# Altium PCB Test.PcbDoc (part 3 of 7)
Units mm, origin at the board's own origin, x right, y up, seen from the top; angles counter-clockwise.
Board outline 127 x 60.96 mm, 8 copper layers (TOP, LY2 - GND, LY3 - SIG, LY4 - GND, LY5 - SIG, LY6 - SIG, LY7 - GND, BOTTOM), stack 1.458 mm thick; 279 components, 237 nets, 1232 pads, 1515 vias.
Unrouted connection lines stored in the file: 100.
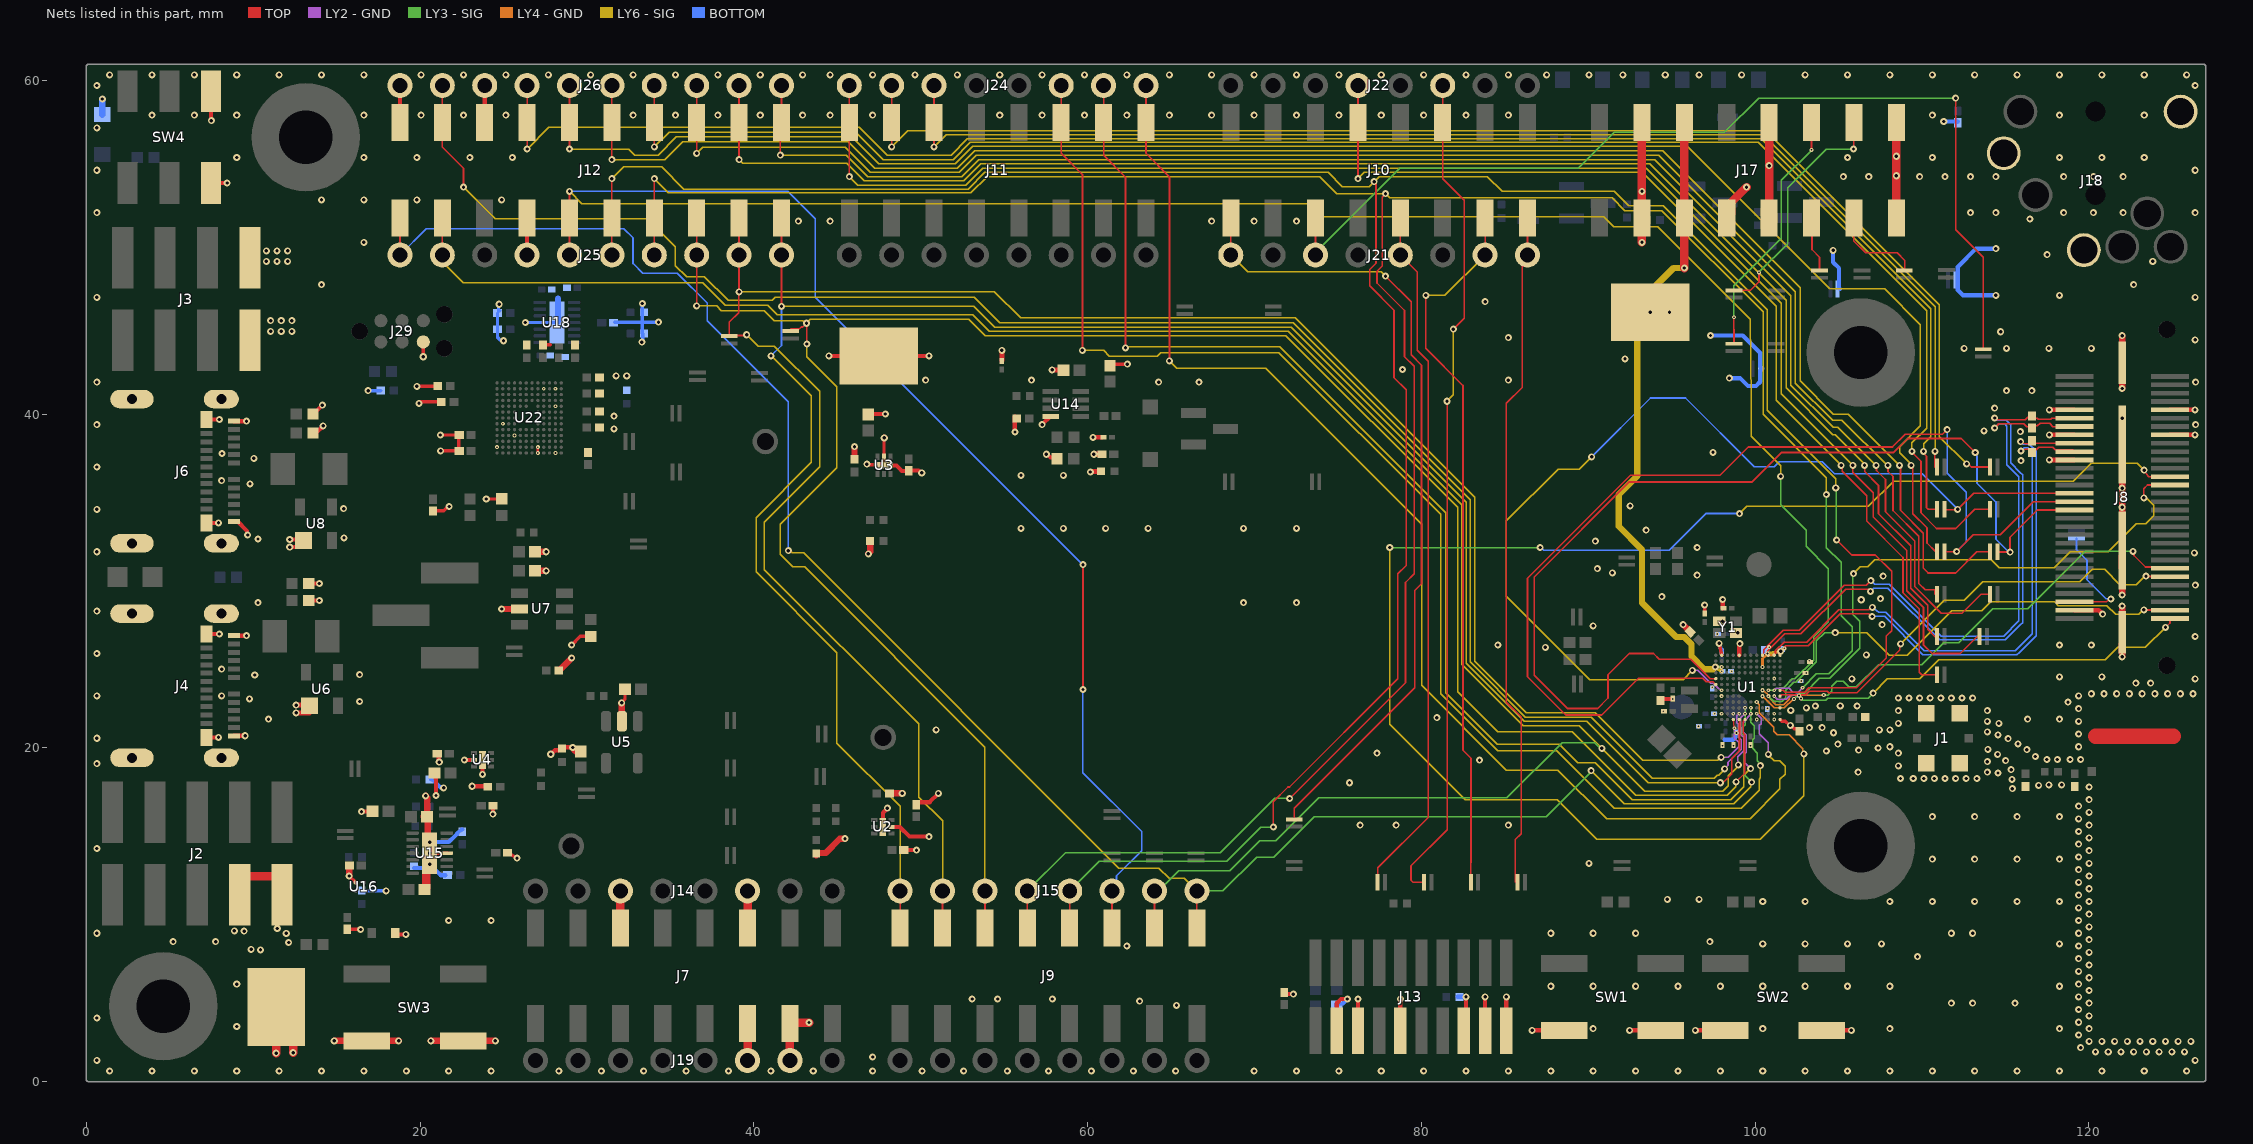
[diagram p9: the nets of this part, all layers, seen from the top]

## Via types
v1: diameter 0.422, hole 0.203, TOP to BOTTOM, tented both sides, 1327 vias
v2: diameter 0.17/0.203/0.229 (per signal layer), hole 0.102, TOP to LY3 - SIG, tented both sides, 58 vias
v3: diameter 0.17/0.229 (per signal layer), hole 0.102, TOP to LY2 - GND, tented both sides, 56 vias
v4: diameter 0.17/0.229/0.229/0.254 (per signal layer), hole 0.102, TOP to LY4 - GND, tented both sides, 35 vias
v5: diameter 0.422/0.422/0.422/0.422 (per signal layer), hole 0.203, LY3 - SIG to LY6 - SIG, tented both sides, 18 vias
v6: diameter 0.229/0.17 (per signal layer), hole 0.102, LY7 - GND to BOTTOM, tented both sides, 11 vias
v7: diameter 0.229/0.203/0.17 (per signal layer), hole 0.102, LY6 - SIG to BOTTOM, tented both sides, 10 vias

## Nets (pads, with @x,y where several pads share a name; then routed paths per layer and width w, separated by ;. In a path a pad name is that pad's centre, name@x,y a point inside that pad or via, vN(x,y) a via of type N, cw(c..) or ccw(c..) an arc to the next point about the centre after c; other vN are vias at no path point) (continued)
GND: C1.2 C2.2 C3.2 C4.2 C5.2 C6.2 C7.2 C8.2 C9.2 C10.2 C11.2 C13.2 C14.2 C15.2 C16.2 C17.2 C18.2 C19.2 C20.2 C21.2 C22.2 C23.2 C24.2 C25.2 C26.2 C27.2 C28.2 C29.2 C30.2 C31.2 C32.2 C33.2 C34.2 C35.2 C36.2 C37.2 C38.2 C39.2 C40.2 C41.2 C42.2 C43.2 C44.2 C45.2 C46.2 C47.2 C60.2 C61.2 C62.2 C63.2 C65.2 C66.2 C67.2 C72.2 C73.2 C74.2 C75.2 C76.2 C77.2 C78.2 C79.2 C80.2 C81.2 C82.2 C83.2 C84.2 C85.2 C87.2 C88.2 C89.2 C90.2 C91.2 C92.2 C93.2 C94.2 C95.2 C96.2 D1.2 D8.1 J1.3 J1.4 J1.5 J1.6 J2.7 J2.9 J3.7 J3.8 J4.A1 J4.A12 J4.B1 J4.B12 J4.SH1 J4.SH2 J4.SH3 J4.SH4 J6.A1 J6.A12 J6.B1 J6.B12 J6.SH1 J6.SH2 J6.SH3 J6.SH4 J7.5 J7.11 J7.12 J7.14 J8.09 J8.10 J8.15 J8.16 J8.21 J8.57 J8.S1 J8.S2 J8.S3 J8.S4 J12.13 J12.16 J12.20 J13.3 J13.5 J13.9 J13.15 J13.17 J13.19 J14.3 J14.6 J17.1 J17.2 J17.7 J17.8 J17.9 J17.13 J17.14 J18.1 J18.7 J18.8 J19.6 J19.7 J25.7 J26.8 J26.10 J29.5 R13.2 R14.1 R15.1 R16.1 R17.1 R18.1 R20.1 R22.1 R23.1 R38.1 R39.1 R45.1 R46.1 R48.1 R51.1 R54.1 R57.1 R72.2 R74.1 R75.1 R81.1 SB72.2 SB73.2 SB74.2 SW1.3 SW1.4 SW2.3 SW2.4 SW3.3 SW3.4 SW4.3 SW4.6 TP5.TP TP6.TP TP7.TP U1.B2 U1.B5 U1.B12 U1.D2 U1.E12 U1.H1 U1.J10 U1.L1 U1.L2 U1.L8 U1.M1 U1.M3 U2.5 U2.7 U3.5 U3.7 U4.5 U4.7 U5.2 U6.1 U7.2 U8.1 U14.4 U15.11 U15.PAD U16.C1 U18.11 U18.PAD U22.B2 U22.B5 U22.B13 U22.D2 U22.E12 U22.E13 U22.J10 U22.L8 U22.M12 Y1.2 Y1.4 | length 226.1
  TOP w0.076: C10.2@94.996,22.924 v3(95.072,22.924)
  TOP w0.102: C43.2@15.748,12.927 C43.2@15.775,12.954 ; C38.2@28.319,24.638 C38.2@28.34,24.638
  TOP w0.152: v3(27.062,37.668) v3(27.062,38.018)
  TOP w0.203: C79.2@15.646,9.037 15.73,9.121 16.429,9.121 v1(16.436,9.115) ; v1@15.752,12.319 U16.C1@16.137,11.934 ; v1(19.812,41.656) 19.832,41.676 C95.2@21.058,41.676 ; v1(19.939,40.64) 20.028,40.729 C94.2@21.28,40.729 ; v1(20.193,43.434) J29.5@20.193,44.323 ; v1(20.574,13.03) v1(20.574,13.691) ; U15.PAD@20.599,13.716 v1(20.574,13.691) ; R81.1@20.777,34.191 20.793,34.207 21.426,34.207 21.682,34.463 v1(21.741,34.463) ; v1(21.22,38.746) 22.327,38.746 C81.2@22.327,37.791 ; v1(21.229,37.798) C81.2@22.32,37.798 ; U15.11@21.649,13.691 v1(20.574,13.691) ; v1(23.968,34.912) 24.879,34.912 R18.1@24.892,34.925 ; C77.2@25.235,13.716 v1(25.808,13.386) ; C90.2@27.367,44.14 27.389,44.162 27.81,44.162 ; v1(29.083,26.162) 29.597,26.676 R20.1@30.226,26.676 ; v1(32.085,22.697) 32.085,22.722 32.279,22.917 C35.2@32.279,23.506 ; v1(46.772,36.995) 46.803,36.963 47.771,36.963 U3.7@47.803,36.932 ; v1@47.803,38.557 U3.5@47.803,37.447 U3.7@47.803,36.932 ; U3.7@47.815,36.919 U3.7@47.803,36.932 ; C61.2@61.341,42.897 61.439,42.995 v1(62.383,42.995) ; v1(96.972,28.56) 96.976,28.557 96.976,28.044 C8.2@96.979,28.04 ; v1(97.841,26.264) U1.B12@97.993,25.547 ; U1.M1@101.493,21.697 101.593,21.597 101.811,21.597 102.065,21.344 v1(102.108,21.344) 102.132,21.344 102.336,21.139 102.532,21.139 102.667,21.004 C5.2@102.667,20.983
  TOP w0.254: J4.B1@7.206,20.625 v1(7.925,20.625) ; J4.B12@7.206,26.822 v1(7.976,26.822) ; J6.B1@7.206,33.477 v1(7.925,33.477) ; J6.B12@7.206,39.675 v1(7.976,39.675) ; SW4.3@7.478,53.841 8.433,53.84 v1(8.437,53.844) ; SW4.6@7.478,59.341 7.478,57.597 v1(7.493,57.582) ; J4.A12@8.854,20.724 v1(9.525,20.724) ; J4.A1@8.854,26.723 v1(9.599,26.723) ; J6.A12@8.854,33.576 9.055,33.576 9.636,32.996 9.636,32.785 v1(9.668,32.753) ; J6.A1@8.854,39.576 v1(9.599,39.576) ; v1(12.192,32.029) 13.018,32.029 13.018,32.461 12.992,32.487 v1(12.192,32.487) ; R17.1@13.335,28.829 v1(13.97,28.829) ; R16.1@13.335,29.845 v1(13.97,29.845) ; R23.1@13.589,38.862 13.767,38.862 v1(14.199,39.294) ; R22.1@13.589,40.005 13.614,40.005 v1(14.148,40.538) ; v1(16.489,16.173) 16.505,16.189 17.104,16.189 C78.2@17.12,16.205 ; D1.2@18.421,8.884 D1.2@18.485,8.82 ; D1.2@18.485,8.827 18.664,8.827 18.671,8.82 v1(19.152,8.82) ; J12.20@18.796,57.468 J26.10@18.796,59.69 ; C40.2@20.83,18.488 20.903,18.415 20.903,18.202 20.957,18.148 v1@20.957,17.147 ; C41.2@21.046,19.647 21.056,19.647 21.119,19.584 21.119,19.178 v1(21.151,19.146) ; v1(22.652,19.271) 22.658,19.278 23.22,19.278 U4.5@23.227,19.285 ; v1@23.129,17.703 23.826,17.703 23.858,17.671 C33.2@23.921,17.671 ; U4.7@23.742,19.285 23.742,18.422 v1@23.749,18.415 ; J12.16@23.876,57.468 J26.8@23.876,59.69 ; v1(24.365,16.025) C76.2@24.365,16.533 ; J25.7@26.416,49.53 J12.13@26.416,51.752 ; v1@27.8,19.648 v1(27.832,19.616) 27.855,19.616 28.094,19.855 28.152,19.855 28.157,19.86 28.301,19.86 28.499,20.058 28.519,20.038 29.131,20.038 v1(29.15,20.018) ; v1@29.182,19.859 29.445,19.596 C34.2@29.464,19.596 ; v1(44.501,43.485) TP7.TP@47.498,43.485 v1(50.495,43.485) ; C30.2@46.863,40.005 v1(47.879,40.005) ; U2.7@47.735,15.264 47.735,16.112 v1(48.006,16.383) ; U3.7@47.815,36.919 48.545,36.919 48.87,36.594 49.256,36.594 49.276,36.614 49.878,36.614 50.018,36.474 v1(50.063,36.474) ; U2.5@48.25,15.264 48.744,15.264 49.326,14.681 v1(50.495,14.681) ; C29.2@48.974,13.874 v1(49.745,13.874) v1@49.749,13.87 ; C28.2@49.737,16.745 50.537,16.745 v1(51.061,17.269) ; v1(55.653,38.923) 55.641,38.935 55.641,39.839 C65.2@55.653,39.851 ; v1(57.277,39.37) U14.4@57.779,39.872 ; v1(57.531,37.592) 57.574,37.592 57.771,37.394 58.057,37.394 R45.1@58.142,37.309 ; v1(60.325,38.608) C67.2@60.871,38.608 ; C60.2@71.78,5.271 71.795,5.256 72.31,5.256 v1(72.325,5.241) ; J13.3@74.93,3.048 74.93,4.699 75.184,4.953 v1(75.565,4.953) ; J13.5@76.2,3.048 v1(76.2,4.953) ; J13.9@78.74,3.048 v1(78.74,4.953) ; J13.15@82.55,3.048 82.677,3.175 v1(82.677,5.08) ; J13.17@83.82,3.048 v1(83.82,5.08) ; J13.19@85.09,3.048 v1(85.09,5.08) ; v1(86.639,3.073) SW1.3@88.544,3.073 ; v1(92.481,3.073) SW1.4@94.336,3.073 ; C9.2@94.336,22.924 C10.2@94.996,22.924 ; C1.2@96.125,26.938 C1.2@96.161,26.902 ; v1(96.418,3.073) SW2.3@98.196,3.073 ; C7.2@98.054,28.358 v1(98.054,28.891) ; U1.E12@99.043,25.547 99.043,26.196 v1(99.085,26.238) ; SW2.4@103.988,3.073 v1(105.766,3.073)
  TOP w0.279: v1(117.625,40.254) J8.09@119.131,40.254 ; v1(117.632,37.252) J8.21@119.131,37.251 ; v1(117.632,38.755) J8.15@119.131,38.755 ; J8.57@119.131,28.245 120.585,28.245 v1(120.822,28.007) ; J8.16@124.861,38.755 v1(126.36,38.755) ; J8.10@124.861,40.254 v1(126.36,40.254)
  TOP w0.305: v1(12.573,22.098) 13.373,22.098 13.373,22.555 v1(12.573,22.555) ; C63.2@54.864,43.218 v1(54.864,43.815) ; v1(57.88,42.647) 57.892,42.636 58.43,42.636 C62.2@58.442,42.624 ; v1(60.161,36.527) 60.183,36.549 60.679,36.549 R46.1@60.706,36.576 ; v1(60.376,37.592) C66.2@60.922,37.592
  TOP w0.381: v1(14.859,2.438) 16.789,2.438 v1(18.72,2.438) ; v1(15.748,12.319) C43.2@15.748,12.927 ; C74.2@20.231,15.875 20.231,15.913 20.435,16.117 20.435,17.016 20.341,17.111 v1(20.341,17.122) ; C74.2@20.237,15.851 20.456,15.633 20.456,14.469 v1(20.574,14.351) ; U15.PAD@20.599,13.716 U15.PAD@20.599,14.351 ; v1(20.65,2.438) 22.581,2.438 v1(24.511,2.438) ; v1(24.892,28.321) U7.2@25.952,28.321 ; C37.2@26.924,30.607 v1(27.559,30.607) ; C36.2@26.924,31.75 v1(27.559,31.75) ; C38.2@28.34,24.638 v1(29.083,25.381) ; v1(32.085,22.697) 32.091,22.691 32.091,21.595 U5.2@32.096,21.589 ; R15.1@43.739,13.572 43.869,13.701 44.31,13.701 45.155,14.546 45.458,14.546 v1(45.466,14.554) ; C32.2@46.03,37.413 v1(46.03,38.048) ; v1(46.863,31.623) 46.863,31.634 46.973,31.744 R13.2@46.973,32.383 ; v1@47.803,38.557 v1(47.816,38.571) ; C31.2@48.26,17.272 v1(48.895,17.272) ; v1(95.682,27.381) C1.2@96.125,26.938 ; v1(121.996,25.451) 121.996,25.698 121.976,25.719 121.976,26.199 121.996,26.219 v1(121.996,28.499) ; v1(121.996,29.159) 121.996,29.585 122.005,29.594 122.005,30.385 121.989,30.401 121.989,30.765 121.971,30.783 121.971,30.997 121.976,31.002 121.976,31.482 121.996,31.502 J8.S3@121.996,31.826 v1(121.996,34.417) v1(121.996,35.56) J8.S2@121.996,38.176 v1(121.996,39.751) ; v1(121.996,41.529) v1(121.996,44.704)
  TOP w0.508: J2.7@9.716,12.319 J2.9@11.367,12.319 ; v1(11.379,1.702) TP5.TP@11.379,4.47 12.399,4.47 v1(12.399,1.731) ; C75.2@20.265,11.506 20.287,11.506 20.369,11.588 20.369,11.872 20.383,11.886 20.383,12.839 v1(20.574,13.03) ; J7.5@32.004,9.207 J14.3@32.004,11.43 ; J19.6@39.624,1.27 J7.12@39.624,3.492 ; J7.11@39.624,9.207 J14.6@39.624,11.43 ; J19.7@42.164,1.27 J7.14@42.164,3.492 42.211,3.539 v1(43.309,3.539) ; v1(93.218,50.292) J17.13@93.218,51.752 J17.14@93.218,57.468 ; J17.9@98.298,51.752 98.555,52.009 98.555,52.667 v1(99.484,53.597) ; J17.7@100.838,51.752 v1(100.838,54.889) J17.8@100.838,57.468 ; J17.1@108.458,51.752 v1(108.458,54.28) v1(108.458,55.448) J17.2@108.458,57.468
  LY4 - GND w0.152: v4@100.442,24.848 100.442,25.337 100.641,25.536 101.017,25.536 101.22,25.739 v5@101.482,25.739
  LY4 - GND w0.203: v5@101.482,25.739 v5(101.524,25.781)
  LY6 - SIG w0.203: v7(100.736,25.654) v5(101.524,25.781)
  BOTTOM w0.203: v1(15.748,12.319) v1@15.79,12.277 ; R57.1@16.508,11.451 R57.1@16.51,11.451 16.523,11.438 17.961,11.438 v1(17.973,11.426) ; v1(16.891,41.402) C93.2@17.655,41.402 ; C44.2@24.64,46.057 24.64,44.592 24.797,44.435 24.961,44.435 v1(25.003,44.393) ; v1(24.74,46.58) 24.698,46.538 24.698,46.191 C44.2@24.793,46.191 ; v1(26.308,45.485) U18.11@27.178,45.485 U18.PAD@28.203,45.485 ; C47.2@31.661,45.506 33.326,45.506 ; v1(33.295,44.307) 33.336,44.349 33.336,44.82 33.326,44.831 33.326,45.506 ; R75.1@33.323,45.977 v1(33.323,46.625) ; R75.1@33.326,45.974 33.326,45.506 ; v1(34.29,45.506) 33.326,45.506
  BOTTOM w0.254: v1(14.148,40.538) v1@14.179,40.538 ; v1(16.383,22.777) v1@16.387,22.78 ; R54.1@19.634,12.802 20.345,12.802 v1(20.574,13.03) 21.234,12.37 C73.2@21.514,12.37 ; v1(20.574,14.351) 21.717,14.351 22.149,14.783 22.149,14.785 22.223,14.859 22.225,14.859 22.479,15.113 C72.2@22.53,15.113 ; R51.1@20.676,18.11 20.755,18.11 21.232,17.633 21.382,17.633 v1(21.414,17.601) ; R39.1@74.93,4.686 75.298,4.686 v1(75.565,4.953) ; R38.1@82.182,5.08 v1(82.677,5.08) ; v1(97.326,44.707) 99.261,44.707 100.305,43.663 100.305,42.85 100.432,42.723 100.305,42.596 100.305,41.935 100.051,41.681 99.568,41.681 99.098,42.151 v1(98.459,42.151) ; v1(97.841,26.264) C18.2@97.993,25.819 ; 98.172,20.486 98.67,20.486 98.819,20.635 98.819,20.847 98.863,20.892 v6(98.882,20.892) ; v1(104.673,49.809) 104.673,49.098 105.029,48.743 105.029,47.549 105.08,47.498 ; v1(111.303,57.531) 112.128,57.531 R48.1@112.141,57.518 ; v1(114.427,47.117) 112.46,47.117 112.141,47.436 112.141,48.819 113.233,49.911 v1(114.427,49.911)
  BOTTOM w0.381: D8.1@0.965,57.942 v1(0.965,58.877) ; U18.PAD@28.264,45.546 28.264,46.917
  other v1: 1.397,0.635 3.937,0.635 6.477,0.635 9.017,0.635 11.557,0.635 14.097,0.635 16.637,0.635 19.177,0.635 21.717,0.635 24.257,0.635 28.321,0.635 30.861,0.635 33.401,0.635 35.941,0.635 38.481,0.635 41.021,0.635 43.561,0.635 47.117,0.635 50.089,0.635 52.578,0.635 55.194,0.635 57.658,0.635 60.223,0.635 62.738,0.635 65.278,0.635 69.977,0.635 72.517,0.635 75.057,0.635 77.597,0.635 80.137,0.635 82.677,0.635 85.217,0.635 87.757,0.635 90.297,0.635 92.837,0.635 95.377,0.635 97.917,0.635 100.457,0.635 102.997,0.635 105.537,0.635 108.077,0.635 110.617,0.635 113.157,0.635 115.697,0.635 118.237,0.635 120.777,0.635 123.317,0.635 125.857,0.635 0.635,1.27 126.365,1.27 47.117,1.473 120.396,1.778 121.158,1.778 121.92,1.778 122.682,1.778 123.444,1.778 124.206,1.778 124.968,1.778 125.73,1.778 119.507,2.032 120.015,2.413 120.777,2.413 121.539,2.413 122.301,2.413 123.063,2.413 123.825,2.413 124.587,2.413 125.349,2.413 126.111,2.413 119.38,2.794 90.297,3.175 100.457,3.175 108.077,3.175 118.237,3.175 120.015,3.175 9.017,3.302 119.38,3.556 0.635,3.81 120.015,3.937 119.38,4.318 65.325,4.565 111.76,4.699 113.03,4.699 115.57,4.699 120.015,4.699 63.119,4.826 53.086,4.953 54.61,4.953 57.887,4.953 119.38,5.08 120.015,5.461 87.757,5.715 90.297,5.715 92.837,5.715 95.377,5.715 97.917,5.715 100.457,5.715 102.997,5.715 105.537,5.715 108.077,5.715 118.237,5.715 9.017,5.842 119.38,5.842 120.015,6.223 119.38,6.604 120.015,6.985 119.38,7.366 109.728,7.493 120.015,7.747 10.438,7.896 9.882,7.922 62.357,8.128 119.38,8.128 100.457,8.255 102.997,8.255 105.537,8.255 107.569,8.255 118.237,8.255 12.131,8.332 5.207,8.382 7.747,8.382 97.282,8.382 120.015,8.509 0.635,8.89 11.984,8.884 87.757,8.89 90.297,8.89 92.837,8.89 111.76,8.89 113.03,8.89 119.38,8.89 9.456,9.016 8.879,9.036 11.443,9.174 120.015,9.271 21.717,9.652 24.257,9.652 119.38,9.652 120.015,10.033 119.38,10.414 100.457,10.795 102.997,10.795 108.077,10.795 110.617,10.795 113.157,10.795 115.697,10.795 118.237,10.795 120.015,10.795 94.742,10.922 96.647,10.922 119.38,11.176 120.015,11.557 119.38,11.938 120.015,12.319 119.38,12.7 90.043,13.081 120.015,13.081 110.617,13.335 113.157,13.335 115.697,13.335 118.237,13.335 119.38,13.462 120.015,13.843 0.635,13.97 119.38,14.224 120.015,14.605 119.38,14.986 76.327,15.367 78.486,15.367 85.217,15.367 120.015,15.367 119.38,15.748 110.617,15.875 113.157,15.875 115.697,15.875 118.237,15.875 120.015,16.129 119.38,16.51 120.015,16.891 20.955,17.145 115.418,17.551 120.015,17.653 23.125,17.699 116.987,17.751 117.602,17.78 118.364,17.78 75.692,17.907 115.392,18.11 108.712,18.161 109.474,18.161 110.109,18.161 110.744,18.161 111.379,18.161 112.014,18.161 112.649,18.161 113.284,18.161 23.744,18.41 114.554,18.491 106.172,18.542 113.919,18.542 115.341,18.694 108.585,18.923 0.635,19.05 113.919,19.177 115.011,19.228 83.482,19.258 117.475,19.304 118.11,19.304 118.872,19.304 119.507,19.304 116.789,19.482 114.529,19.609 77.343,19.685 108.585,19.685 104.267,19.812 106.197,19.863 116.281,19.888 113.944,19.914 107.366,19.99 108.077,20.066 119.38,20.066 104.953,20.218 115.748,20.244 115.164,20.549 0.635,20.574 114.554,20.777 119.38,20.828 104.699,20.904 113.919,20.955 50.927,21.082 107.442,21.082 108.077,21.082 103.251,21.209 104.013,21.209 108.585,21.463 114.605,21.463 113.919,21.59 119.38,21.59 10.922,21.717 116.332,21.717 118.237,21.717 80.923,21.807 108.585,22.225 113.919,22.225 102.133,22.25 119.38,22.352 103.066,22.392 103.607,22.504 106.111,22.509 105.1,22.519 118.745,22.733 9.779,22.936 108.585,22.987 109.22,22.987 109.855,22.987 110.49,22.987 111.125,22.987 111.76,22.987 112.395,22.987 113.03,22.987 0.635,23.114 8.11,23.119 119.38,23.114 120.142,23.241 120.904,23.241 121.666,23.241 122.428,23.241 123.19,23.241 123.952,23.241 124.714,23.241 125.476,23.241 126.238,23.241 122.809,23.876 123.698,23.876 105.791,24.13 126.365,24.13 118.237,24.257 120.777,24.257 10.096,24.362 16.382,24.381 8.109,24.721 106.662,25.567 0.635,25.654 87.432,26.021 84.582,26.162 118.237,26.162 120.142,26.162 126.365,26.67 98.965,26.901 90.297,27.305 107.608,27.38 98.044,27.584 0.635,28.194 10.287,28.702 69.342,28.702 72.517,28.702 106.358,28.872 107.514,28.937 94.409,29.057 126.373,29.748 107.672,30.291 96.52,30.353 91.44,30.48 90.551,30.734 126.323,31.679 0.635,31.75 96.52,32.004 90.424,32.385 10.287,32.512 15.441,32.578 93.472,33.045 56.007,33.147 58.547,33.147 61.087,33.147 63.627,33.147 69.342,33.147 72.517,33.147 0.635,34.29 15.425,34.328 92.511,34.502 9.809,35.818 8.114,36.015 56.007,36.322 58.547,36.322 0.635,36.83 115.928,37.207 10.04,37.346 8.13,37.636 97.475,37.705 115.89,38.944 113.712,38.998 31.623,39.116 0.635,39.37 126.393,39.37 31.623,39.878 114.349,40.354 115.062,41.402 116.586,41.402 0.635,41.91 64.262,41.91 66.675,41.91 126.393,41.91 50.292,42.037 56.642,42.037 85.217,42.037 31.75,42.291 32.385,42.291 78.867,42.672 92.202,43.307 112.522,43.942 115.062,43.942 117.602,43.942 120.142,43.942 126.365,44.45 85.217,44.577 114.706,44.933 11.049,44.958 11.684,44.958 12.319,44.958 11.049,45.593 11.684,45.593 12.319,45.593 93.726,46.101 94.869,46.101 83.82,46.736 0.635,46.99 126.365,46.99 118.237,47.117 14.097,47.752 122.682,47.752 10.795,49.149 11.43,49.149 12.065,49.149 123.825,49.149 117.5,49.555 10.795,49.784 11.43,49.784 12.065,49.784 16.637,50.292 42.672,51.562 44.577,51.562 67.437,51.562 69.977,51.562 72.517,51.562 116.459,51.689 0.635,52.07 112.903,52.07 114.427,52.07 118.491,52.07 120.269,52.07 122.047,52.07 126.365,52.07 14.097,52.832 16.637,52.832 19.812,52.832 24.892,52.832 93.218,53.34 105.283,54.229 106.807,54.229 109.855,54.229 111.379,54.229 112.903,54.229 114.427,54.229 118.491,54.229 120.269,54.229 122.047,54.229 0.635,54.61 126.365,54.61 9.017,55.372 16.637,55.372 19.812,55.372 22.987,55.372 25.527,55.372 105.537,55.372 110.617,55.372 118.237,55.372 120.777,55.372 123.317,55.372 0.635,57.15 3.937,57.912 6.477,57.912 9.017,57.912 16.637,57.912 20.066,57.912 22.606,57.912 25.146,57.912 32.766,57.912 35.306,57.912 37.846,57.912 40.386,57.912 42.926,57.912 44.577,57.912 47.117,57.912 54.737,57.912 57.277,57.912 59.817,57.912 62.357,57.912 64.897,57.912 67.437,57.912 69.977,57.912 72.517,57.912 75.057,57.912 77.597,57.912 80.137,57.912 82.677,57.912 85.217,57.912 110.617,57.912 118.237,57.912 123.317,57.912 0.635,59.69 126.365,59.69 1.397,60.325 3.937,60.325 6.477,60.325 9.017,60.325 11.557,60.325 14.097,60.325 16.637,60.325 20.066,60.325 22.606,60.325 25.146,60.325 27.686,60.325 30.226,60.325 32.766,60.325 35.306,60.325 37.846,60.325 40.386,60.325 42.926,60.325 44.577,60.325 47.117,60.325 49.657,60.325 52.197,60.325 54.737,60.325 57.277,60.325 59.817,60.325 62.357,60.325 64.897,60.325 67.437,60.325 69.977,60.325 72.517,60.325 75.057,60.325 77.597,60.325 80.137,60.325 82.677,60.325 85.217,60.325 87.503,60.325 90.043,60.325 92.075,60.325 94.615,60.325 96.647,60.325 99.187,60.325 102.997,60.325 105.537,60.325 108.077,60.325 110.617,60.325 113.157,60.325 115.697,60.325 118.237,60.325 120.777,60.325 123.317,60.325 125.857,60.325
  other v3: 98.044,20.13 98.704,20.13 99.72,20.13 100.093,21.697 101.143,21.697 97.993,22.047 98.693,22.047 101.143,22.047 94.501,22.2 97.993,23.097 101.143,24.147 103.06,24.486 103.251,25.222 28.112,37.668 24.612,38.018 25.662,38.718 24.962,39.418 28.112,40.468 27.41,41.516 28.11,41.516
  other v4: 100.443,24.847
  other v6: 96.609,21.285 97.574,22.047 100.736,22.365 102.629,23.139 97.434,23.635 102.756,24.003 98.59,24.587 101.752,25.959 100.838,26.035 97.727,26.822
HDR_LPADC_D0N_SE0: J17.6 SB63.2 | length 15.1
  TOP w0.102: 98.73,44.348 98.73,45.085 98.723,45.092 98.723,45.789 v2(98.73,45.796) ; v2(103.378,55.829) J17.6@103.378,57.468
  LY3 - SIG w0.089: v2(98.73,45.796) 98.73,47.701 101.575,50.546 101.575,54 103.378,55.804 v2(103.378,55.829)
HDR_LPADC_D0P_SE1: J17.4 SB67.2 | length 14.6
  TOP w0.102: SB67.2@98.704,47.421 99.719,47.421 100.228,47.93 v2(100.228,48.489) ; v1(105.893,55.88) 105.918,55.905 J17.4@105.918,57.468
  LY3 - SIG w0.089: v2(100.228,48.489) 101.956,50.216 101.956,53.569 104.267,55.88 v1(105.893,55.88)
HDR_LPADC_D1N_SE2: J17.5 SB70.2 | length 3.3
  TOP w0.102: J17.5@103.378,51.752 103.403,51.727 103.403,49.86 103.861,49.403 SB70.2@103.861,48.607
HDR_LPADC_D1P_SE3: J17.3 SB69.2 | length 5.5
  TOP w0.102: J17.3@105.918,51.752 105.918,50.368 106.629,49.657 108.515,49.657 108.966,49.206 SB69.2@108.966,48.607
HDR_MSPI00_32KXT_RTS0_DISPD0_I2S1DIN_GP64: J12.14 J26.7 SB56.2 | length 106.5
  TOP w0.102: v1(26.416,55.88) J12.14@26.416,57.468 J26.7@26.416,59.69 ; v1@110.085,37.745 110.085,37.658 110.271,37.472 110.271,34.382 110.363,34.29 110.769,34.29